# KiCad board temp sensor.kicad_pcb
title: Twig Temp/humidity sensor; date: 2022-03-18; rev: 0.3; company: Juniper Gardens; note: http://JuniperGarden.co
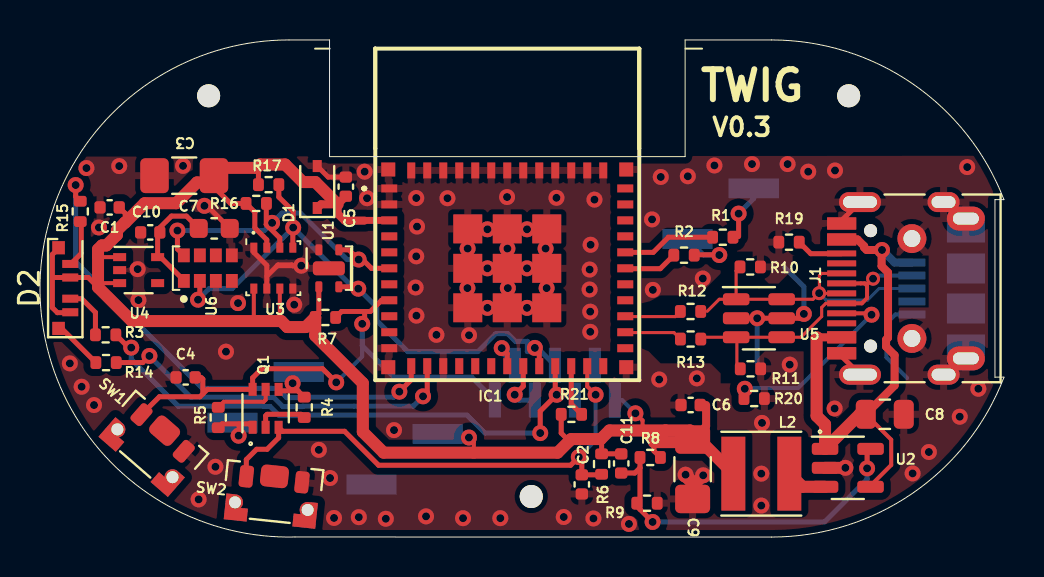
[diagram p0: board, top side]
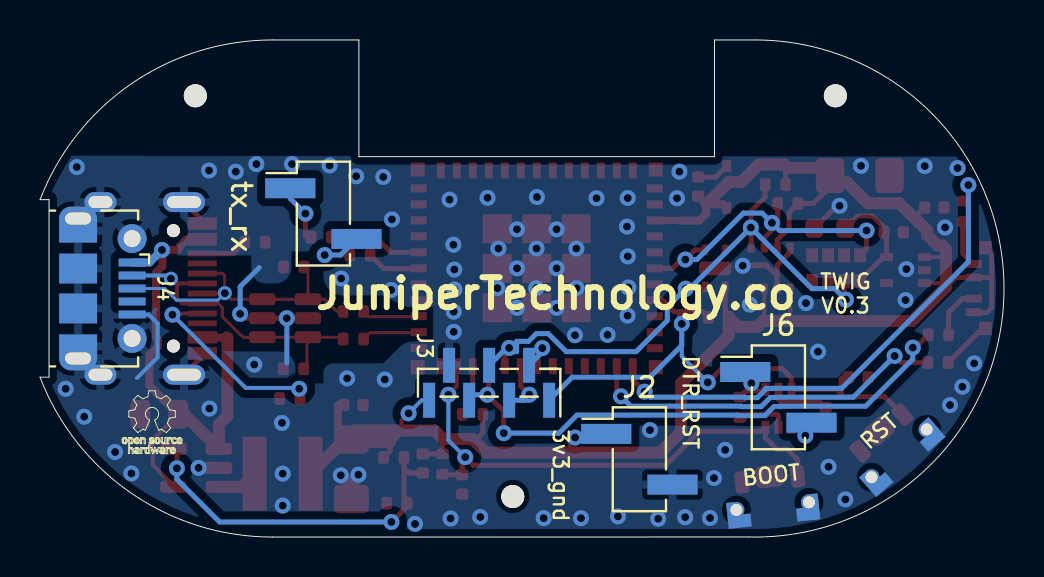
[diagram p1: board, bottom side, seen from below]

Outline 48.2 x 24.89 mm; copper layers: Top, Bottom. Coordinates in mm from the lower left corner of the outline.
Outline path: 12.75,0 arc(0,12.29) 12.45,24.89 14.48,24.89 14.48,19.05 32.26,19.05 32.26,24.89 36.58,24.89 arc(43.63,22.7) 48.2,16.9 47.75,16.9 47.75,8.01 48.2,8.01 arc(43.63,2.2) 36.58,0 12.75,0
Stack: Top 0.035mm / dielectric 1.51mm FR4 er 4.5 / Bottom 0.035mm

## Placement (name value [footprint] x y rotation side)
C1  0.1u  [C_0402_1005Metric]  3.48 16.51 180 top
C2  0.1u  [C_0402_1005Metric]  27.09 2.64 270 top
C3  10u  [C_1206_3216Metric_Pad1.42x1.75mm_HandSolder]  7.21 18.1 180 top
C4  0.1u  [C_0402_1005Metric]  7.28 8 0 top
C5  0.1u  [C_0402_1005Metric]  15.29 17.55 90 top
C6  0.01u  [C_0402_1005Metric]  32.53 6.61 180 top
C7  1u  [C_0603_1608Metric]  8.71 15.46 0 top
C8  4.7u  [C_0805_2012Metric]  42.24 6.15 0 top
C9  10u  [C_1206_3216Metric_Pad1.42x1.75mm_HandSolder]  32.63 3.4 270 top
C10  0.1u  [C_0402_1005Metric]  5.51 15.26 180 top
C11  6.8p  [C_0402_1005Metric]  29.06 3.69 270 top
D1  3.3v_TVS  [D_SOD-323]  13.86 17.53 90 top
D2  QLS6A  [LED_Cree-PLCC6_4.7x1.5mm]  1.26 12.47 270 top
H1  MountingHole  [CorePin_1.15mm]  8.43 22.1 0 top
H2  MountingHole  [CorePin_1.15mm]  40.44 22.1 0 top
H3  MountingHole  [CorePin_1.15mm]  24.56 2.03 0 top
IC1  ESP32-C3-MINI-1  [ESP32C3MINI1]  23.36 16.16 0 top
J1  USB_C_Receptacle_USB2.0  [USB_C_Receptacle_HRO_TYPE-C-31-M-12]  44.13 12.45 90 top
J2  Conn_01x02_Male  [PinHeader_1x02_P2.54mm_Vertical_SMD_Pin1Left]  18.23 3.9 180 bottom
J3  Conn_01x06_Male  [PinHeader_1x07_P1.00mm_Vertical_SMD_Pin1Right]  25.74 7.73 270 bottom
J4  USB_B_Micro  [USB_Micro-B_Molex-105017-0001]  45.06 12.45 270 bottom
J5  Conn_01x02_Male  [PinHeader_1x02_P2.54mm_Vertical_SMD_Pin1Left]  34.03 16.2 180 bottom
J6  Conn_01x02_Male  [PinHeader_1x02_P2.54mm_Vertical_SMD_Pin1Left]  11.28 7 180 bottom
L2  2.2uH  [L_Taiyo-Yuden_MD-4040]  36.07 3.17 180 top
LOGO1  Logo_Open_Hardware_Small  [FabDrawing-2Layer-Metric]  -63.42 85.77 0 top
Q1  BC847BDW1  [SOT-363_SC-70-6]  11.28 6.45 90 top
R1  499R  [R_0402_1005Metric]  34.14 15.01 0 top
R2  499R  [R_0402_1005Metric]  32.2 14.12 0 top
R3  200  [R_0402_1005Metric]  3.28 10.13 180 top
R4  10K  [R_0402_1005Metric]  13.21 6.5 270 top
R5  10K  [R_0402_1005Metric]  8.91 5.99 90 top
R6  NP  [R_0402_1005Metric]  28.08 3.66 90 top
R7  10K  [R_0402_1005Metric]  14.27 11 180 top
R8  680k  [R_0402_1005Metric]  30.51 3.99 0 top
R9  150K  [R_0402_1005Metric]  30.35 1.7 180 top
R10  15K  [R_0402_1005Metric]  35.51 13.53 0 top
R11  15K  [R_0402_1005Metric]  35.53 8.42 180 top
R12  27  [R_0402_1005Metric]  32.53 11.3 180 top
R13  27  [R_0402_1005Metric]  32.53 9.92 180 top
R14  100  [R_0402_1005Metric]  3.3 8.74 0 top
R15  100  [R_0402_1005Metric]  2.01 16.31 90 top
R16  10K  [R_0402_1005Metric]  10.81 16.71 180 top
R17  10K  [R_0402_1005Metric]  11.43 17.65 180 top
R19  5.1k  [R_0402_1005Metric]  37.45 14.77 0 top
R20  5.1k  [R_0402_1005Metric]  35.71 6.94 180 top
R21  10K  [R_0402_1005Metric]  26.57 6.15 180 top
SW1  SW_Push_Right_Angle  [SW_Push_1P1T-MP_NO_Horizontal_TL6340]  5.51 4.5 319 top
SW2  SW_Push_Right_Angle  [SW_Push_1P1T-MP_NO_Horizontal_TL6340]  11.61 1.95 354 top
SYM1  SYM_Arrow_Normal  [Sensor Keepout block]  15.61 12.38 0 top
SYM2  SYM_Arrow_Normal  [LED Keepout block]  0.65 9.9 0 top
U1  SHTC3  [Sensirion_DFN-4-1EP_2x2mm_P1mm_EP0.7x1.6mm]  14.44 13.46 90 top
U2  TLV62569DBV  [SOT-23-5]  40.39 3.47 0 top
U3  BME280  [Bosch_LGA-8_2.5x2.5mm_P0.65mm_ClockwisePinNumbering]  11.67 13.47 0 top
U4  MIC5365-3.3YC5  [SOT-353_SC-70-5]  4.93 13.37 0 top
U5  SN65220  [SOT-23-6]  35.95 10.96 0 top
U6  AS7341-DLGT  [PSON80P310X200X110-8N]  8.39 13.47 90 top

## Library data of the parts
C1 C2 C4 C5 C10 = -: Description: Multilayer Ceramic Capacitors MLCC - SMD/SMT  16VDC 0.1uF 10% X7R AEC-Q200; Configuration: all; Digikey Part Number: 1276-1001-1-ND; Height: 0.9; Manufacturer_Name: Taiyo Yuden; Manufacturer_Part_Number: EMK105B7104KVHF; Mouser Part Number: 963-EMK105B7104KVHF; Mouser Price/Stock: $0.10/110000; PARTREV: V3
C3 C9 = -: Description: Multilayer Ceramic Capacitors MLCC - SMD/SMT 0805 10VDC 10uF 20% X5R; Configuration: all; Manufacturer_Name: Taiyo Yuden; Manufacturer_Part_Number: LMK212ABJ106MG-T; Mouser Part Number: 963-LMK212ABJ106MG-T; Mouser Price/Stock: $0.13/104348
C6 C11 = -: Description: Multilayer Ceramic Capacitors MLCC - SMD/SMT 16VDC 0.1uF 10% X7R AEC-Q200; Configuration: all; Height: 0.9; Manufacturer_Name: Taiyo Yuden; Manufacturer_Part_Number: EMK105B7103KVHF; Mouser Part Number: 963-EMK105B7103KVHF; Mouser Price/Stock: $0.10/110000; PARTREV: V3
C7 = -: Description: Multilayer Ceramic Capacitors MLCC - SMD/SMT 16VDC 1uF 10% X7R; Configuration: all; Manufacturer_Name: Taiyo Yuden; Manufacturer_Part_Number: EMK107B7105KA-T; Mouser Part Number: 963-EMK107B7105KA-T; Mouser Price/Stock: $0.10/110000
C8 = -: Description: Multilayer Ceramic Capacitors MLCC - SMD/SMT 0603 6.3VDC 4.7uF 10% X6S; Configuration: all; Manufacturer_Name: Taiyo Yuden; Manufacturer_Part_Number: JMK107C6475KA-T; Mouser Part Number: 963-JMK107C6475KA-T; Mouser Price/Stock: $0.16/1200
D1 = -: Description: ESD Suppressors / TVS Diodes Surge Protection PP; Manufacturer_Name: Diodes Incorporated; Manufacturer_Part_Number: SD03C-7; Mouser Part Number: 621-SD03C-7; Mouser Price/Stock: $0.37/852
D2 = -: Description: Standard LEDs - SMD RGB Side View; Configuration: all; Height: 1.33; Manufacturer_Name: Cree LED; Manufacturer_Part_Number: QLS6A-FKW-CNSNSF043; Mouser Part Number: 941-QLS6AFKWNSNSF043; Mouser Price/Stock: $0.40/29,835
H1-H3 = -: Configuration: all; PARTREV: V3
IC1 = -: Description: Smallsized module with onboard PCB antenna; Alternate Part Number 1: ESP32-PICO-MINI-02; Configuration: all; Height: 2.55; Manufacturer_Name: Espressif Systems; Manufacturer_Part_Number: ESP32-C3-MINI-1-H4; Mouser Part Number: 356-ESP32-C3-MINI1H4; Mouser Price/Stock: $1.90/0
J1 = -: Description: USB Connectors USB Type C,2.0, Rec, SMT,TH Shell Stakes; Alternate Part Number 1: U262-161N-4BVC11; Configuration: all; Manufacturer_Name: GCT; Manufacturer_Part_Number: USB4105-GF-A; Mouser Part Number: 640-USB4105-GF-A; Mouser Price/Stock: $0.81
J2 J3 J5 J6 LOGO1 = -: Configuration: all
J4 = -: Description: USB Connectors MICRO USB B RECPT BTTM MNT SMT TH TABS; Configuration: all; Manufacturer_Name: Molex; Manufacturer_Part_Number: 105017-0001; Mouser Part Number: 538-105017-0001; Mouser Price/Stock: $0.88/15,819
L2 = -: Description: Fixed Inductors 4040 2.2uH 79mOhms +/-20%Tol 2.8A HiCur; Configuration: all; Height: 2; Manufacturer_Name: Taiyo Yuden; Manufacturer_Part_Number: MDMK4040T2R2MM; Mouser Part Number: 963-MDMK4040T2R2MM; Mouser Price/Stock: $0.78/678
Q1 = -: Configuration: all; Manufacturer_Part_Number: BC847BDW1T1G; Mouser Part Number: 863-BC847BDW1T1G
R1 R2 = -: Description: Thick Film Resistors - SMD 499 ohm 1%; Alternate Part Number 1: RC0402FR-07499RL; Configuration: all; Digikey Part Number: 311-499LRCT-ND; Manufacturer_Name: Bourns; Manufacturer_Part_Number: CR0603-FX-4990ELF; Mouser Part Number: 652-CR0603FX-4990ELF; Mouser Price/Stock: $0.10/19000; PARTREV: V3
R3 = -: Description: Thick Film Resistors - SMD 200 OHM 1%; Alternate Part Number 1: PFR05S-201-FNH; Configuration: all; Digikey Part Number: 2037-PFR05S-201-FNHCT-ND; Manufacturer_Name: Bourns; Manufacturer_Part_Number: CR0603-FX-2000ELF; Mouser Part Number: 652-CR0603-FX2000ELF; Mouser Price/Stock: $0.10/78000; PARTREV: V3
R4-R7 R16 R17 R21 = -: Description: Thick Film Resistors - SMD 10 kOhms 100 mW 5%; Configuration: all; Manufacturer_Name: Yageo; Manufacturer_Part_Number: ESR03EZPJ103; Mouser Part Number: 755-ESR03EZPJ103; Mouser Price/Stock: $0.10/256000; PARTREV: V3
R8 = -: Description: Thick Film Resistors - SMD 680 kOhms 100-200 mW  1%; Configuration: all; Manufacturer_Name: Yageo; Manufacturer_Part_Number: RC0603FR-13680KL; Mouser Part Number: 603-RC0603FR-13680KL; Mouser Price/Stock: $0.10/100000; PARTREV: V3
R9 = -: Description: Thick Film Resistors - SMD 150 kOhms 100mW  1%; Configuration: all; Manufacturer_Name: Yageo; Manufacturer_Part_Number: RC0603FR-07150KL; Mouser Part Number: 603-RC0603FR-07150KL; Mouser Price/Stock: $0.10/100000; PARTREV: V3
R10 R11 = -: Description: Thick Film Resistors - SMD 15 kOhms 100-200 mW 1%; Configuration: all; Manufacturer_Name: Yageo; Manufacturer_Part_Number: RC0603FR-1315KL; Mouser Part Number: 603-RC0603FR-1315KL; Mouser Price/Stock: $0.10/78000; PARTREV: V3
R12 R13 = -: Description: Thick Film Resistors - SMD 1/8W 27 OHM 5%; Configuration: all; Manufacturer_Name: KOA Speer; Manufacturer_Part_Number: RK73B1JTTDD270J; Mouser Part Number: 660-RK73B1JTTDD270J; Mouser Price/Stock: $0.10/100000; PARTREV: V3
R14 R15 = -: Description: Thick Film Resistors - SMD 100 Ohms 100 mW 5%; Configuration: all; Manufacturer_Name: Yageo; Manufacturer_Part_Number: RC0603JR-07100RL; Mouser Part Number: 603-RC0603JR-07100RL; Mouser Price/Stock: $0.10/2,633,578; PARTREV: V3
R19 R20 = -: Description: Thick Film Resistors - SMD 5.1K ohm 1%; Configuration: all; Manufacturer_Name: Bourns; Manufacturer_Part_Number: CR0603-FX-5101ELF; Mouser Part Number: 652-CR0603FX-5101ELF; Mouser Price/Stock: $0.10/78000; PARTREV: V3
SW1 SW2 = -: Description: Tactile Switch SPST-NO Side Actuated Surface Mount, Right Angle; Alt Part Number 3: SKTDLHE010; Alternate Part Number 1: EVP-AKE31A; Configuration: all; Digikey Part Number: 141-TL6340AF160QGCT-ND; Manufacturer_Name: E-Switch; Manufacturer_Part_Number: TL6340AF160QG; Mouser Price/Stock: $0.48/10000
U1 = -: Description: Board Mount Humidity Sensors Humidity and Temperature Sensor; Configuration: 1,2; Manufacturer_Name: Sensirion; Mouser Part Number: 403-SHTC3; Mouser Price/Stock: $2.44/6,227
U2 = -: Description: Switching Voltage Regulators 2.5V-5.5V input, 2-A high efficiency step-down buck converter in; Alternate Part Number 1: MP2128DT-LF-Z; Configuration: all; Height: b2.9/s3.5; Manufacturer_Name: Texas Instruments; Manufacturer_Part_Number: TLV62569DBVR; Mouser Part Number: 595-TLV62569DBVR; Mouser Price/Stock: $0.60/0
U3 = -: Description: MEMS humidity, pressure and temperature sensor; Configuration: 2-BMP280,3-BME280,4-BME688; Manufacturer_Name: Bosch Sensortec; Mouser Part Number: 262-BME280; Mouser Price/Stock: $5.78/0
U4 = -: Configuration: 4
U5 = -: Description: ESD Suppressors / TVS Diodes Single USB Port; Configuration: all; Manufacturer_Name: Texas Instruments; Manufacturer_Part_Number: SN65220DBVT; Mouser Part Number: 595-SN65220DBVT; Mouser Price/Stock: $1.03/12.700
U6 = -: Configuration: 4; MANUFACTURER: AMS; MAXIMUM_PACKAGE_HEIGHT: 1.1 mm; PARTREV: V3

## Footprints (pads in the part's own frame, mm; a bottom-side part is the same pattern mirrored in y, then rotated)
Bosch_LGA-8_2.5x2.5mm_P0.65mm_ClockwisePinNumbering
  rect 0.35x0.5 smd: 1(-0.975,1.025) 2(-0.325,1.025) 3(0.325,1.025) 4(0.975,1.025) 5(0.975,-1.025) 6(0.325,-1.025) 7(-0.325,-1.025) 8(-0.975,-1.025)
C_0402_1005Metric
  rrect 0.56x0.62 smd: 1(-0.48,0) 2(0.48,0)
C_0603_1608Metric
  rrect 0.9x0.95 smd: 1(-0.775,0) 2(0.775,0)
C_0805_2012Metric
  rrect 1x1.45 smd: 1(-0.95,0) 2(0.95,0)
C_1206_3216Metric_Pad1.42x1.75mm_HandSolder
  rrect 1.425x1.75 smd: 1(-1.488,0) 2(1.488,0)
CorePin_1.15mm
  round 1.152 hole 1.152 unplated: (0,0)
D_SOD-323
  rect 0.6x0.45 smd: 1(-1.05,0) 2(1.05,0)
ESP32C3MINI1
  rect 0.8x0.4 smd: 1(-5.9,1.3) 2(-5.9,0.5) 3(-5.9,-0.3) 4(-5.9,-1.1) 5(-5.9,-1.9) 6(-5.9,-2.7) 7(-5.9,-3.5) 8(-5.9,-4.3) 9(-5.9,-5.1) 10(-5.9,-5.9) 11(-5.9,-6.7) 25(5.9,-6.7) 26(5.9,-5.9) 27(5.9,-5.1) 28(5.9,-4.3) 29(5.9,-3.5) 30(5.9,-2.7) 31(5.9,-1.9) 32(5.9,-1.1) 33(5.9,-0.3) 34(5.9,0.5) 35(5.9,1.3)
  rect 0.4x0.8 smd: 12(-4.8,-7.6) 13(-4,-7.6) 14(-3.2,-7.6) 15(-2.4,-7.6) 16(-1.6,-7.6) 17(-0.8,-7.6) 18(0,-7.6) 19(0.8,-7.6) 20(1.6,-7.6) 21(2.4,-7.6) 22(3.2,-7.6) 23(4,-7.6) 24(4.8,-7.6) 36(4.8,2.2) 37(4,2.2) 38(3.2,2.2) 39(2.4,2.2) 40(1.6,2.2) 41(0.8,2.2) 42(0,2.2) 43(-0.8,2.2) 44(-1.6,2.2) 45(-2.4,2.2) 46(-3.2,2.2) 47(-4,2.2) 48(-4.8,2.2)
  rect 1.45x1.45 smd: 49(0,-2.7) 54(-1.975,-0.725) 55(-1.975,-2.7) 56(-1.975,-4.675) 57(0,-4.675) 58(1.975,-4.675) 59(1.975,-2.7) 60(1.975,-0.725) 61(0,-0.725)
  rect 0.7x0.7 smd: 50(5.95,2.25) 51(5.95,-7.65) 52(-5.95,-7.65) 53(-5.95,2.25)
L_Taiyo-Yuden_MD-4040
  rect 1.2x3.7 smd: 1(-1.4,0) 2(1.4,0)
LED_Cree-PLCC6_4.7x1.5mm
  rect 0.66x0.63 smd: 1(-2.02,-0.335) 6(2.02,-0.335)
  rect 0.4x0.8 smd: 2(-1.21,0.25) 3(-0.53,0.25) 4(0.53,0.25) 5(1.21,0.25)
PinHeader_1x02_P2.54mm_Vertical_SMD_Pin1Left
  rect 2.51x1 smd: 1(-1.655,1.27) 2(1.655,-1.27)
PinHeader_1x07_P1.00mm_Vertical_SMD_Pin1Right
  rect 1.75x0.6 smd: 1(0.875,3) 2(-0.875,2) 3(0.875,1) 4(-0.875,0) 5(0.875,-1) 6(-0.875,-2) 7(0.875,-3)
PSON80P310X200X110-8N
  rect 0.69x0.59 smd: 1(-0.64,1.2) 2(-0.64,0.4) 3(-0.64,-0.4) 4(-0.64,-1.2) 5(0.64,-1.2) 6(0.64,-0.4) 7(0.64,0.4) 8(0.64,1.2)
R_0402_1005Metric
  rrect 0.54x0.64 smd: 1(-0.51,0) 2(0.51,0)
Sensirion_DFN-4-1EP_2x2mm_P1mm_EP0.7x1.6mm
  rrect 0.55x0.35 smd: (-1.025,0.5) (-1.025,-0.5) (1.025,0.5) (1.025,-0.5) 1(-0.925,0.5) 2(-0.925,-0.5) 3(0.925,-0.5) 4(0.925,0.5)
  rrect 0.5x1.4 smd: (0,0)
  rrect 0.7x1.6 smd: 5(0,0)
SOT-23-5
  rrect 1.325x0.6 smd: 1(-1.137,0.95) 2(-1.137,0) 3(-1.137,-0.95) 4(1.137,-0.95) 5(1.137,0.95)
SOT-23-6
  rrect 1.325x0.6 smd: 1(-1.137,0.95) 2(-1.137,0) 3(-1.137,-0.95) 4(1.137,-0.95) 5(1.137,0) 6(1.137,0.95)
SOT-353_SC-70-5
  rect 0.65x0.4 smd: 1(-0.95,0.65) 2(-0.95,0) 3(-0.95,-0.65) 4(0.95,-0.65) 5(0.95,0.65)
SOT-363_SC-70-6
  rect 0.65x0.4 smd: 1(-0.95,0.65) 2(-0.95,0) 3(-0.95,-0.65) 4(0.95,-0.65) 5(0.95,0) 6(0.95,0.65)
SW_Push_1P1T-MP_NO_Horizontal_TL6340
  rrect 1.4x1.1 smd: (0,1.1)
  rrect 0.7x1.1 smd: 1(1.4,0.95) 2(-1.4,0.95)
  custom 1.15x1.3 hole 0.6: MP(-1.825,-0.4) MP(1.825,-0.4)
USB_C_Receptacle_HRO_TYPE-C-31-M-12
  round 0.65 hole 0.65 unplated: (-2.89,2.6) (2.89,2.6)
  rect 0.6x1.45 smd: A1(-3.25,4.045) A4(-2.45,4.045) A9(2.45,4.045) A12(3.25,4.045) B1(3.25,4.045) B4(2.45,4.045) B9(-2.45,4.045) B12(-3.25,4.045)
  rect 0.3x1.45 smd: A5(-1.25,4.045) A6(-0.25,4.045) A7(0.25,4.045) A8(1.25,4.045) B5(1.75,4.045) B6(0.75,4.045) B7(-0.75,4.045) B8(-1.75,4.045)
  oval 1x2.1 hole 0.6x1.7: S1(-4.32,3.13) S1(4.32,3.13)
  oval 1x1.6 hole 0.6x1.2: S1(-4.32,-1.05) S1(4.32,-1.05)
USB_Micro-B_Molex-105017-0001
  rect 0.4x1.35 smd: 1(-1.3,1.462) 2(-0.65,1.462) 3(0,1.462) 4(0.65,1.462) 5(1.3,1.462)
  oval 1.2x1.9 hole 0.6x1.3: 6(-3.5,-1.238) 6(3.5,-1.238)
  rect 1.2x1.9 smd: 6(-2.9,-1.238) 6(2.9,-1.238)
  round 1.45 hole 0.85: 6(-2.5,1.462) 6(2.5,1.462)
  rect 1.5x1.9 smd: 6(-1,-1.238) 6(1,-1.238)

## Nets
+1V8: C7.1 C10.1 U4.5 U6.1
+3V3: C1.1 C3.1 C5.1 C6.1 C9.1 C11.1 D1.1 D2.1 D2.3 D2.5 IC1.3 J2.1 J3.7 L2.2 R6.2 R7.2 R8.2 R16.2 R17.2 R21.2 U1.1 U3.2 U3.6 U3.8 U4.1 U4.3
GND: C1.2 C2.2 C3.2 C4.1 C5.2 C6.2 C7.2 C8.2 C9.2 C10.2 D1.2 IC1.1 IC1.2 IC1.11 IC1.14 IC1.36 IC1.37 IC1.38 IC1.39 IC1.40 IC1.41 IC1.42 IC1.43 IC1.44 IC1.45 IC1.46 IC1.47 IC1.48 IC1.49 IC1.50 IC1.51 IC1.52 IC1.53 IC1.54 IC1.55 IC1.56 IC1.57 IC1.58 IC1.59 IC1.60 IC1.61 J1.A1 J1.A12 J1.B1 J1.B12 J1.S1 J2.2 J3.6 J4.5 J4.6 R9.1 R10.2 R11.1 R19.1 R20.1 SW1.1 SW2.1 U1.4 U1.5 U2.2 U3.1 U3.5 U3.7 U4.2 U5.2 U5.5 U6.3 U6.5
/BK: D2.2 R15.1
/Boot_Option: C2.1 IC1.23 Q1.3 R6.1 SW2.2
/CC1: J1.A5 R20.2
/CC2: J1.B5 R19.2
/D+: J1.A6 J1.B6 J4.3 R10.1 R12.1 U5.1 U5.6
/D-: J1.A7 J1.B7 J4.2 R11.2 R13.1 U5.3 U5.4
/DTR: J6.1 Q1.4 R4.1
/EN: C4.2 IC1.8 J3.1 Q1.6 R7.1 SW1.2
/GK: D2.6 R14.1
/I34_pico: IC1.9
/I35_pico: IC1.10
/I36_pico: IC1.4
/I37_pico: IC1.5
/I38_pico: IC1.6 R16.1 U1.3 U3.3 U6.8
/I39_pico: IC1.7
/IO2_pico: IC1.22 R21.1
/IO4_pico: IC1.24
/IO5_pico: IC1.29
/IO8_pico: IC1.28
/IO12_pico: IC1.19 J3.3
/IO13_pico: IC1.20 J3.4 R17.1 U1.2 U3.4 U6.2
/IO14_pico: IC1.18 J3.2
/IO15_pico: IC1.21 J3.5 R3.1
/IO19_pico: IC1.33
/IO21_pico: IC1.35
/IO22_pico: IC1.34
/IO25_pico: IC1.15
/IO26_pico: IC1.16
/IO27_pico: IC1.17
/IO32_pico: IC1.12 R15.2
/IO33_pico: IC1.13 R14.2
/RK: D2.4 R3.2
/RTS: J6.2 Q1.1 R5.1
/RTX0: J5.2 R2.2
/TDX0: J5.1 R1.2
/USB_D+: IC1.27 R12.2
/USB_D-: IC1.26 R13.2
/V_USB: C8.1 J1.A4 J1.A9 J1.B4 J1.B9 J4.1 U2.1 U2.4
Net-(IC1-Pad30): IC1.30 R2.1
Net-(IC1-Pad31): IC1.31 R1.1
Net-(L2-Pad1): L2.1 U2.3
Net-(Q1-Pad2): Q1.2 R4.2
Net-(Q1-Pad5): Q1.5 R5.2
Net-(R8-Pad1): C11.2 R8.1 R9.2 U2.5

Pads without a net: IC1 25 32; J1 A8 B8; J4 4; SW1 MP; SW2 MP; U4 4; U6 4 6 7

## Via types
v1: diameter 0.8, hole 0.4, Top to Bottom, 116 vias
v2: diameter 0.7, hole 0.4, Top to Bottom, 2 vias

## Routing (per net, layer and track width the routed paths; a pad name or vN(x,y) marks a point on that pad's centre or on a via; arc(x,y) is an arc through that point)
+1V8: length 5.4
  Top w0.25: 6.03,14.02 7.19,12.86 ; 7.94,15.46 7.32,16.07 6.57,16.07 5.99,15.49 C10.1 ; U4.5 5.88,15.15
+3V3: length 95.9
  Top w0.2: v1(29.77,6.2) 30.13,5.84 30.13,5.34 ; 2.9,14.08 2.96,14.02 U4.1 ; 2.9,12.51 3.11,12.72 U4.3 ; 12.06,10.82 11.99,10.89 U3.6 ; 10.91,10.82 10.69,11.04 10.69,12.44 ; v1(21.45,4.98) 21.69,4.74 21.69,4.23
  Top w0.25: R17.2 10.92,18.39 10.82,18.49 ; C1.1 4.26,16.21 4.26,15.75 ; 28.04,4.91 28.08,4.87 R6.2 C11.1 ; U1.1 13.94,11.18 R7.2 ; 0.62,13.02 0.64,13 D2.3 2.41,13 2.9,12.51 ; R21.2 26.06,5.21 26.46,4.81 ; 1.52,11.24 0.87,11.24 0.62,11.49 0.62,14.15 0.93,14.47 ; 11.34,14.49 11.34,14.88 10.74,15.48 10.74,16.27 R16.2 9.52,16.71 8.47,17.76 ; 31.05,4.75 30.7,4.75 30.7,4.31 R8.2
  Top w0.35: 16.23,15.86 IC1.3
  Top w0.4: 14.88,16.66 14.88,16.2 15.23,15.85 16.22,15.85 ; 30.37,5.08 30.7,4.75 ; D1.1 14.05,16.66 14.89,16.66 C5.1 ; 33.31,6.61 33.31,5.56 C9.1
  Top w0.6: 14.88,16.66 13.77,17.78 13.14,17.78 12.26,18.66 10.99,18.66 10.82,18.49 9.2,18.49 8.47,17.76 7.85,17.76 6.81,16.72 5.23,16.72 4.26,15.75 4.24,15.75 3.85,15.35 3.85,15.13 3.32,14.6 3.1,14.6 2.9,14.41 2.9,12.51 4.59,10.82 12.06,10.82 12.36,10.52 13.28,10.52 R7.2 13.76,10.09 16.14,7.71 16.14,5.27 17.18,4.23 25.88,4.23 26.56,4.91 28.04,4.91 28.47,5.34 31.27,5.34 ; 30.7,4.75 33.09,4.75 ; 31.11,5.07 30.79,4.75 ; 31.27,5.34 32.5,5.34 L2.2 ; 31.27,5.34 31.02,5.08
  Bottom w0.2: v1(21.45,4.98) 21.27,5.17 J2.1 ; v1(29.77,6.2) 29.12,6.85 J3.7
GND: length 29.2
  Top w0.25: 13.19,13.71 v1(13.06,13.59) ; 10.69,14.49 10.69,14.25 11.34,13.6 11.34,12.44 ; v1(38.2,11.17) 37.98,10.96 v1(35.86,10.96) 34.85,10.96 ; C5.2 14.41,18.03 D1.2 ; C7.2 8.36,16.59 v1(8.22,16.59) ; 11.34,13.06 11.9,13.63 12.59,13.63 12.64,13.58 ; 12.81,13.59 11.87,13.59 ; 40.09,9.05 J1.S1 ; 40.09,15.86 J1.S1
  Top w0.6: v1(33.16,3.09) 32.79,2.72 32.79,1.99 ; C9.2 32.63,2.77 v1(32.28,3.12) 32.28,3.04 32.79,2.53 32.24,1.99 ; U2.2 v1(40.27,3.47)
  Bottom w0.2: 43.36,7.96 42.33,9 42.33,10.7 42.77,11.15 J4.5
  Bottom w0.25: v1(38.2,11.17) 38.2,12.54 37.23,13.5 ; v1(35.86,10.96) 35.86,8.72
  vias: v1(1.49,8.7) v1(2.08,7.53) v1(2.32,18.48) v1(2.7,6.61) v1(2.95,15.5) v1(3.96,18.58) v1(4.88,13.42) v1(4.92,11.87) v1(7.15,18.59) v1(7.93,1.89) v1(8.77,3.52) v1(9.3,9.28) v1(9.9,11.72) v1(12.71,11.64) v1(13.94,4.37) v1(14.5,2.96) v1(14.7,0.96) v1(15.94,1) v1(16.23,18.3) v1(16.35,16.97) v1(17.29,0.92) v1(17.7,5.36) v1(18.78,12.5) v1(18.81,16.98) v1(18.85,15.55) v1(18.81,14.06) v1(18.82,11.09) v1(19.3,1.04) v1(19.82,10.13) v1(20.37,16.97) v1(21.15,0.95) v1(21.38,14.45) v1(21.37,12.47) v1(21.45,10.11) v1(22.37,15.41) v1(22.37,13.46) v1(22.37,11.48) v1(23.02,0.95) v1(23.35,17.03) v1(23.37,14.45) v1(23.39,12.47) v1(24.35,15.41) v1(24.35,13.46) v1(24.35,11.48) v1(25.28,14.45) v1(25.33,12.47) v1(25.82,16.99) v1(26.19,1) v1(27.48,13.4) v1(27.48,12.4) v1(27.53,14.64) v1(27.51,11.29) v1(27.51,10.28) v1(27.67,0.93) v1(27.72,16.9) v1(29.45,0.66) v1(30.6,15.91) v1(30.64,12.38) v1(30.96,7.89) v1(31.04,18.03) v1(32.39,18.07) v1(32.84,7.95) v1(33.14,12.95) v1(33.72,18.61) v1(35.6,18.68) v1(36.07,3.17) v1(36.07,1.58) v1(36.1,5.72) v1(37.38,18.68) v1(37.49,8.63) v1(38.41,18.3) v1(39.75,18.36) v1(39.73,6.44) v1(43.63,3.19) v1(44.45,4.26) v1(45.99,6.03) v1(46.36,18.53) v1(46.92,7.43)
/BK: length 2.3
  Top w0.25: 2.06,15.75 2.06,14.2 1.52,13.66
/Boot_Option: length 26.4
  Top w0.2: IC1.23 27.36,7.54 v1(27.78,7.13)
  Top w0.25: 28.05,3.12 C2.1 27.09,3.86 v1(26.94,4.01) 26.53,3.6 16.93,3.6 15.23,5.3 12.13,5.3 Q1.3 11.93,4.97 11.36,4.4 10.83,4.4 10.32,3.88 SW2.2
  Bottom w0.2: v1(27.78,7.13) 27.78,4.85 v1(26.94,4.01)
/CC1: length 9.8
  Top w0.2: v1(35.24,7.43) 35.24,6.98 ; J1.A5 41.51,11.2 v1(41.58,11.13)
  Bottom w0.2: v1(41.58,11.13) 37.91,7.47 35.28,7.47 v1(35.24,7.43)
/CC2: length 2.3
  Top w0.25: R19.2 38.54,14.19 40.07,14.19
/D+: length 15.8
  Top w0.152: J1.B6 39.08,13.2 38.97,13.09 38.97,12.21 38.98,12.2 J1.A6 ; R10.1 34.81,13.33 34.81,11.95 ; 33.36,11.3 33.96,11.91 38.65,11.91 v2(38.96,12.21)
  Bottom w0.152: v2(38.96,12.21) 39.31,11.86 41.38,11.86 41.96,12.45 J4.3
/D-: length 15.5
  Top w0.152: 34.85,10.01 34.85,8.44 ; 34.85,10.01 38.05,10.01 39.08,11.04 39.08,11.49 39.29,11.7 J1.B7 ; 34.85,10.01 33.13,10.01 ; v2(41.65,12.94) 41.42,12.7 41.04,12.7
  Top w0.2: J1.A7 41.24,12.7 41.35,12.59 41.35,11.97 41.09,11.7 J1.B7
  Bottom w0.2: J4.2 41.81,13.1 v2(41.65,12.94)
/DTR: length 2.2
  Top w0.25: 12.01,7.32 12.9,7.32 R4.1 ; 12.91,7.32 12.63,7.6 v1(12.63,7.7)
  Bottom w0.25: 12.91,7.92 12.69,7.7 v1(12.63,7.7)
/EN: length 28.2
  Top w0.25: 8.14,7.17 8.14,7.91 8.06,8 ; v1(14.81,7.75) 14.13,8.43 11.09,8.43 10.63,7.97 Q1.6 8.37,7.4 8,7.03 5.97,7.03 SW1.2 ; 16.23,11.3 16.23,10.8 v1(16.11,10.68) ; 16.23,11.3 15.08,11.3 R7.1 ; 16.23,11.3 16.52,11.3 17.08,11.86 IC1.8
  Bottom w0.2: v1(14.81,7.75) 16.11,9.05 v1(16.11,10.68)
  Bottom w0.25: J3.1 21.59,8 17.7,8 16.11,9.59 v1(16.11,10.68)
/GK: length 2.4
  Top w0.25: R14.1 1.1,10.43
/I38_pico: length 17.4
  Top w0.25: 11.99,14.61 11.99,14.97 11.31,15.65 ; v1(6.87,15.35) 6.87,14.43 U6.8 ; U1.3 15.45,14.38 v1(15.93,13.9) 16.13,13.9 16.57,13.46 IC1.6 ; 11.31,16.7 11.31,15.65 ; 11.31,15.65 11.4,15.73 v1(11.61,15.73)
  Bottom w0.25: v1(6.87,15.35) 11.22,15.35 v1(11.61,15.73) 12.09,16.22 13.03,16.22 15.35,13.9 v1(15.93,13.9)
/IO2_pico: length 2.6
  Top w0.25: R21.1 26.56,6.66 IC1.22
/IO12_pico: length 2.6
  Top w0.25: IC1.19 24.16,7.55 v1(23.74,7.13)
  Bottom w0.25: J3.3 23.96,6.85 23.92,6.89 ; 23.84,7.03 23.75,7.13 v1(23.74,7.13)
/IO13_pico: length 30.2
  Top w0.25: IC1.20 24.96,9.25 v1(24.74,9.47) ; R17.1 11.94,17.03 12.66,16.31 v1(12.66,15.5) 12.64,15.48 U3.4 ; v1(15.91,12.44) 15.82,12.53 U1.2 ; v1(7.9,11.89) 7.99,11.98 U6.2
  Bottom w0.25: J3.4 24.87,9.47 v1(24.74,9.47) 24.56,9.29 24.37,9.29 24.37,9.8 23.77,9.8 23.39,10.19 22.79,10.19 21.89,9.29 18.39,9.29 16.84,10.84 16.84,11.51 v1(15.91,12.44) 15.72,12.44 v1(12.66,15.5) 9.6,12.44 8.46,12.44 v1(7.9,11.89)
/IO14_pico: length 2.2
  Top w0.25: IC1.18 23.36,9.18 v1(23.09,9.46)
  Bottom w0.25: J3.2 23.09,9.26 v1(23.09,9.46)
/IO15_pico: length 28.4
  Top w0.25: v1(25.01,5.21) 25.01,6.31 v1(25.83,7.13) 25.76,7.19 IC1.21 ; R3.1 4.43,9.49 v1(4.56,9.49)
  Bottom w0.25: v1(25.83,7.13) 26.47,7.13 J3.5 ; v1(4.56,9.49) 4.56,8.91 6.92,6.55 11.2,6.55 11.21,6.54 11.5,6.54 11.96,6.08 13.3,6.08 13.33,6.11 21.35,6.11 22.25,5.21 v1(25.01,5.21)
/IO32_pico: length 25.4
  Top w0.25: R15.2 1.78,17.05 v1(1.78,17.63) ; IC1.12 18.56,7.88 v1(17.97,7.28)
  Bottom w0.25: v1(17.97,7.28) 17.69,7.01 12.96,7.01 12.93,6.98 12.33,6.98 11.91,7.4 11.91,7.43 11.9,7.44 11.59,7.44 11.58,7.45 8.11,7.45 1.78,13.78 v1(1.78,17.63)
/IO33_pico: length 18.3
  Top w0.25: IC1.13 19.36,7.26 v1(19.15,7.05) ; v1(5.47,9.07) 5.14,8.74 R14.2
  Bottom w0.25: v1(5.47,9.07) 7.54,7 11.39,7 11.4,6.99 11.68,6.99 12.15,6.53 13.12,6.53 13.14,6.56 18.66,6.56 v1(19.15,7.05)
/RK: length 2.7
  Top w0.25: R3.2 2.77,11.25 2.08,11.94 D2.4
/RTS: length 2.8
  Top w0.25: 9.96,5.67 9.96,5.1 v1(9.93,5.08) ; Q1.1 10.46,5.67 9.11,5.67 R5.1
  Bottom w0.25: v1(9.93,5.08) 9.93,5.42
/RTX0: length 3.2
  Top w0.25: v1(33.97,14.12) 33.95,14.14 32.73,14.14
  Bottom w0.25: v1(33.97,14.12) 33.18,14.12 J5.2
/TDX0: length 2.7
  Top w0.25: v1(34.93,16.2) 34.93,15.05
  Bottom w0.25: v1(34.93,16.2) 35.69,16.95 J5.1
/USB_D+: length 2.8
  Top w0.152: R12.2 31.76,11.04 29.31,11.04
/USB_D-: length 2.8
  Top w0.152: R13.2 31.7,10.24 29.31,10.24
/V_USB: length 27.7
  Top w0.2: C8.1 42.56,4.88 42.56,3.61 41.36,2.41
  Top w0.4: J1.A9 40.88,14.9 41.21,14.57 41.21,14.5 41.33,14.37 v1(42.1,14.37) 42.08,14.36 42.08,13.57 42.4,13.25 42.4,9.98 42.31,9.88 42.31,9.53 42.73,9.11 42.73,7.59 C8.1 ; J1.A4 38.86,10
  Top w0.6: 38.86,10 38.83,9.98 38.83,6.06 39.25,5.64 U2.1 40.99,6.15 C8.1
  Bottom w0.4: J4.1 42.73,13.75 v1(42.1,14.37)
Net-(IC1-Pad30): length 2.7
  Top w0.25: 29.28,13.44 31.01,13.44 R2.1
Net-(IC1-Pad31): length 4.7
  Top w0.25: IC1.31 30.66,14.26 31.42,15.01 R1.1
Net-(L2-Pad1): length 2.1
  Top w0.6: U2.3 38.13,2.52 L2.1
Net-(Q1-Pad2): length 2.6
  Top w0.25: R4.2 13.05,6.15 11.36,6.15 11.28,6.07 Q1.2
Net-(Q1-Pad5): length 3.1
  Top w0.2: R5.2 9.19,6.77 11.18,6.77 11.28,6.87 Q1.5
Net-(R8-Pad1): length 17.6
  Top w0.25: R8.1 30,3.47 ; 30,3.47 29.74,3.21 C11.2 ; 30,3.47 30,1.39 ; 41.36,4.14 41.36,3.44 v1(41.36,3.44) ; 29.84,1.55 v1(30.63,0.76)
  Bottom w0.25: v1(41.36,3.44) 41.36,2.89 39.22,0.76 v1(30.63,0.76)

## Copper pours and planes (outline as drawn; the poured copper is in the pictures)
GND on Top: 50.83,-2.9 28.43,-2.9 28.43,-2.82 -0.37,-2.7 -0.37,24.9 28.43,25.01 28.43,25.1 50.83,25.1 ; 1 cut-out
GND on Bottom: 50.83,-2.9 28.43,-2.9 28.43,-2.82 -0.37,-2.7 -0.37,24.9 28.43,25.01 28.43,25.1 50.83,25.1 ; 1 cut-out

## Text on the board
B.Silkscreen: RST | BOOT | TWIG / V0.3 | DTR_RST | 3v3_gnd | tx_rx | JuniperTechnology.co
User.Drawings: 4.) Board Thickness:  0.062in (1.57mm) or 1.6mm / 5.) Material: FR-4 / 6.) PCB Color: Green / 7.) SilkScreen: White / 8.) Surface Finish: HASL - RoHS / 9.) Copper Weight: 1 oz | LED view window | sensor port
F.Silkscreen: V0.3 | TWIG
